# Altium PCB BalloonBoard.PcbDoc (part 1 of 3) (continued)
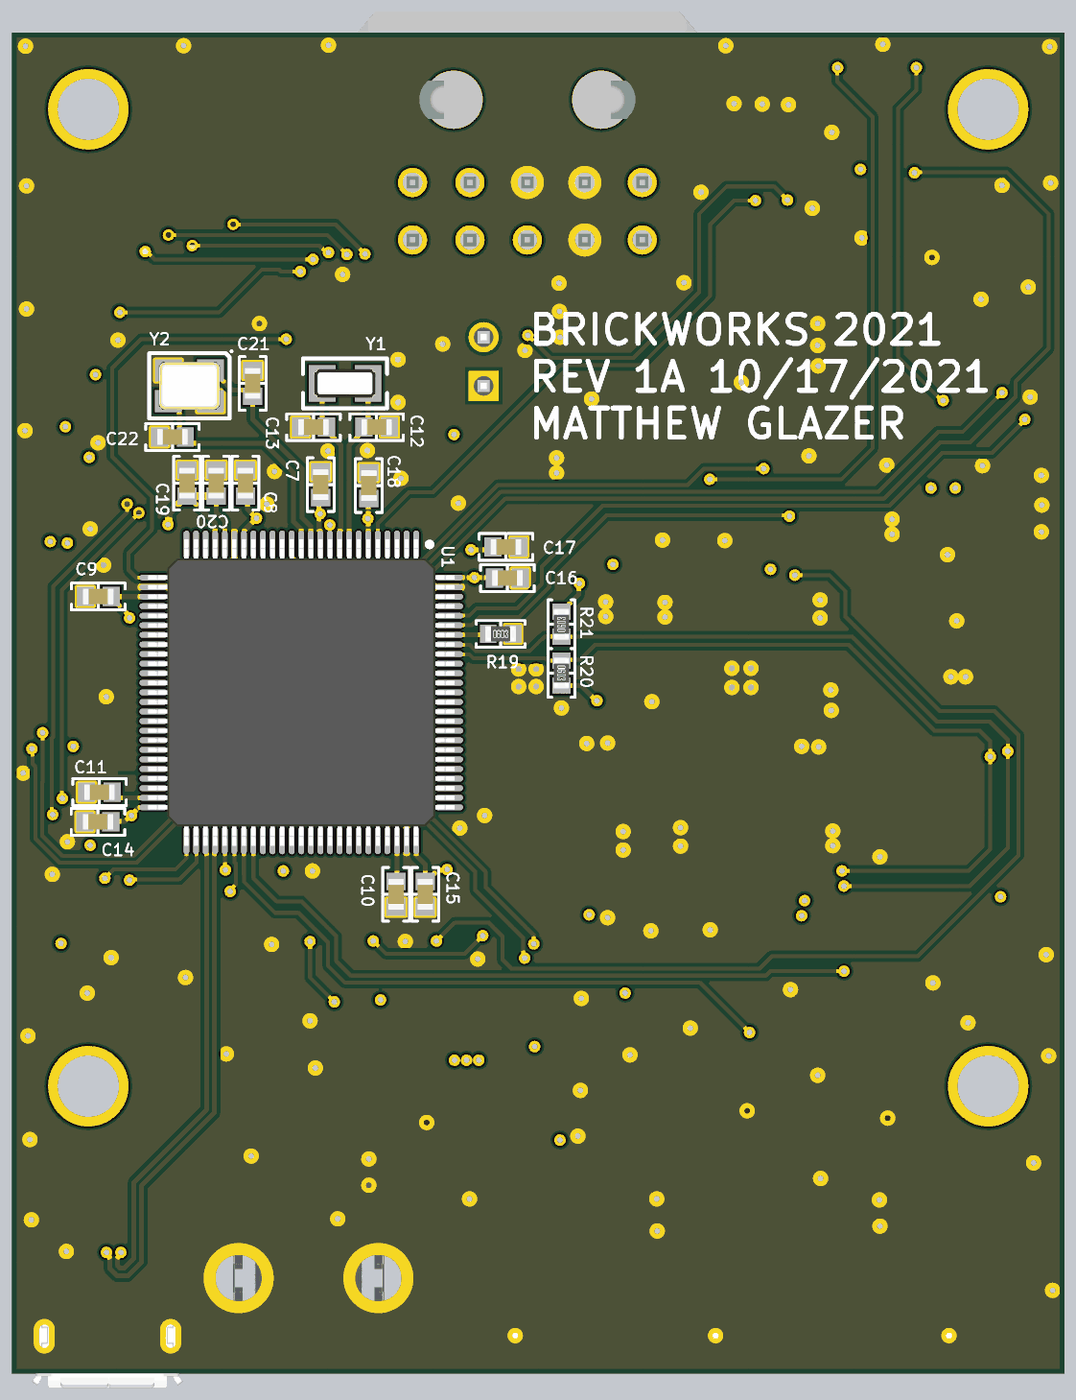
[diagram p7: 3D render of the assembled board from below, using the file's embedded part models]

## Layer stack, top to bottom
Top Solder: solder mask 0.9843, SM-001, Dk 4
Top Layer: signal copper 1.6142
Dielectric 2: prepreg 9.0551, PP-018, Dk 4.3
Layer 1: plane copper 1.378, net GND
Dielectric 1: core 36.6142, Core-028, Dk 4.3
Layer 2: plane copper 1.378, net (Multiple Nets)
Dielectric 3: prepreg 9.0551, PP-018, Dk 4.3
Bottom Layer: signal copper 1.6142
Bottom Solder: solder mask 0.9843, SM-001, Dk 4

## Board outline
0,0 2165.35,0 2165.35,2755.91 0,2755.91

## Design rules (kind name [scope] priority, off if disabled: settings)
BoardOutlineClearance [All] p1: gap=10 ignorepadtopadclearanceinfootprint=FALSE except(0: Arc-SplitContinuation Track-SplitContinuation SMDPad-SplitContinuation THPad-SplitContinuation Via-SplitContinuation Fill-SplitContinuation Poly-SplitContinuation Region-SplitContinuation Text-SplitContinuation)
Clearance Clearance_3 [InNamedPolygon('Top Layer-No Net') Or  InNamedPolygon('Top Layer-GND') Or  InNamedPolygon('Top Layer-NetC38_2') Or  InNamedPolygon('Top Layer-+12_Supply') Or  InNamedPolygon('Top Layer-NetC58_2') Or  InNamedPolygon('Top Layer-No Net 1') Or  InNamedPolygon('Top Layer-No Net') Or  InNamedPolygon('Top Layer-+5_Supply') Or  InNamedPolygon('Top Layer-NetC38_2') Or  InNamedPolygon('Top Layer-+5') Or  InNamedPolygon('Top Layer-+5 1') Or  InNamedPolygon('Top Layer-+12')] p1: gap=7.5 ignorepadtopadclearanceinfootprint=FALSE
Clearance [All] p2: gap=6 ignorepadtopadclearanceinfootprint=TRUE
DiffPairsRouting DiffPairsRouting90hms [InDifferentialPairClass('DIFF90')] p1: maxlimit=6 minlimit=5 mostfreqgap=6 toplayer_minwidth=8.17 toplayer_maxwidth=9.9 toplayer_prefwidth=9.9 bottomlayer_minwidth=8.17 bottomlayer_maxwidth=9.9 bottomlayer_prefwidth=9.9 impedanceprofiledriven=TRUE impedanceprofileid={5D9EC83B-07E7-4D12-A961-5C90B1E134FC} impedanceprofilevalue=90.000000 maxuncoupledlength=500
HoleSize [All] p1: absolutevalues=TRUE maxlimit=150 minlimit=10 maxpercent=80.000 minpercent=20.000
HoleToHoleClearance [All] p1: gap=5 allowstackedmicrovias=TRUE
MinimumAnnularRing [All] p1: minimumring=5.91
MinimumSolderMaskSliver [All] p1: minsoldermaskwidth=3
PlaneClearance [All] p1: clearance=5
PlaneConnect [All] p1: planeconnectstyle=Direct reliefexpansion=20 reliefentries=4 reliefconductorwidth=10 reliefairgap=10
PolygonConnect PolygonConnect_11 [All vs IsNamedPolygon('Top Layer-GND')] p1: connectstyle=Direct reliefconductorwidth=10 reliefentries=4 polygonreliefangle="90 Angle" airgapwidth=10
PolygonConnect PolygonConnect_10 [All vs IsNamedPolygon('Top Layer-No Net 4')] p2: connectstyle=Direct reliefconductorwidth=10 reliefentries=4 polygonreliefangle="90 Angle" airgapwidth=10
PolygonConnect PolygonConnect_9 [All vs IsNamedPolygon('Top Layer-GND')] p3: connectstyle=Direct reliefconductorwidth=10 reliefentries=4 polygonreliefangle="90 Angle" airgapwidth=10
PolygonConnect PolygonConnect_8 [All vs IsNamedPolygon('Top Layer-+5 1')] p4: connectstyle=Direct reliefconductorwidth=10 reliefentries=4 polygonreliefangle="90 Angle" airgapwidth=10
PolygonConnect PolygonConnect_7 [All vs IsNamedPolygon('Top Layer-+12_Supply') Or  IsNamedPolygon('Top Layer-NetC58_2') Or  IsNamedPolygon('Top Layer-NetC38_2') Or  IsNamedPolygon('Top Layer-NetC38_2') Or  IsNamedPolygon('Top Layer-No Net') Or  IsNamedPolygon('Top Layer-+12') Or  IsNamedPolygon('Top Layer-+5') Or  IsNamedPolygon('Top Layer-+5_Supply') Or  IsNamedPolygon('Top Layer-No Net 1')] p5: connectstyle=Direct reliefconductorwidth=10 reliefentries=4 polygonreliefangle="90 Angle" airgapwidth=10
PolygonConnect PolygonConnect_6 [All vs IsNamedPolygon('Top Layer-+12')] p6: connectstyle=Direct reliefconductorwidth=10 reliefentries=4 polygonreliefangle="90 Angle" airgapwidth=10
PolygonConnect PolygonConnect_5 [All vs IsNamedPolygon('Top Layer-+5_Supply')] p7: connectstyle=Direct reliefconductorwidth=10 reliefentries=4 polygonreliefangle="90 Angle" airgapwidth=10
PolygonConnect PolygonConnect_4 [All vs IsNamedPolygon('Top Layer-+12_Supply')] p8: connectstyle=Direct reliefconductorwidth=10 reliefentries=4 polygonreliefangle="90 Angle" airgapwidth=10
PolygonConnect PolygonConnect_3 [All vs IsNamedPolygon('Top Layer-NetC58_2')] p9: connectstyle=Direct reliefconductorwidth=10 reliefentries=4 polygonreliefangle="90 Angle" airgapwidth=10
PolygonConnect PolygonConnect_2 [All vs IsNamedPolygon('Top Layer-NetC38_2')] p10: connectstyle=Direct reliefconductorwidth=10 reliefentries=4 polygonreliefangle="90 Angle" airgapwidth=10
PolygonConnect PolygonConnect_1 [All vs IsNamedPolygon('Top Layer-NetC38_2')] p11: connectstyle=Direct reliefconductorwidth=10 reliefentries=4 polygonreliefangle="90 Angle" airgapwidth=10
PolygonConnect [All] p12: connectstyle=Relief reliefconductorwidth=10 reliefentries=4 polygonreliefangle="90 Angle" airgapwidth=10
RoutingVias [All] p1: holewidth=20 width=35 viastyle="Through Hole" minholewidth=11.81 minwidth=21.65 maxholewidth=35 maxwidth=50
SilkToSilkClearance [All] p1: silktosilkclearance=5
SilkToSolderMaskClearance [IsPad] p1: minsilkscreentomaskgap=2.9 clearancetoexposedcopper=TRUE
SolderMaskExpansion [All] p1: expansion=4 istentingtop=FALSE
Width [All] p1: maxlimit=49.21 minlimit=6 preferedwidth=10
22 further rules are at their usual default settings.

## Classes and differential pairs
differential pair class DIFF90: USB_HEADER
component class Transceivers: C67 C68 D4 R79 R80 U16
component class Sensors: C44 C45 C46 C47 C48 C49 C50 C51 C52 C70 C71 C72 C73 R47 R48 R49 R50 R51 R52 R53 R54 R55 R56 R57 R58 R59 R60 R86 R87 R88 U8 U9 U10 U11 U12 U17
component class Power-Supplies: C24 C25 C26 C27 C28 C29 C30 C31 C32 C33 C34 C35 C36 C37 C38 C39 C40 C41 C42 C43 D1 D3 D7 L1 L2 Q9 R23 R24 R25 R26 R27 R28 R29 R30 R31 R32 R33 R34 R35 R36 R37 R38 R39 R40 R41 R42 R43 R44 R45 R46 R85 U2 U4 U5 U6 U7
component class Microcontroller: C7 C8 C9 C10 C11 C12 C13 C14 C15 C16 C17 C18 C19 C20 C21 C22 C23 J6 J8 R19 R20 R21 R22 S1 U1 Y1 Y2
component class Interfaces: C1 C2 C3 C4 C5 C6 D2 J1 J2 J3 J4 J5 J7 R3 R18 R83 R84 U3
component class Controllers: D5 D6 Q1 Q2 Q3 Q4 Q5 Q6 Q7 Q8 R1 R2 R4 R5 R6 R7 R8 R9 R10 R11 R12 R13 R14 R15 R16 R17 R81 R82
component class 12V-Power-Supplies: C53 C54 C55 C56 C57 C58 C59 C60 C61 C62 C63 C64 C65 C66 D8 L3 Q10 R61 R62 R63 R64 R65 R66 R67 R68 R69 R70 R71 R72 R73 R74 R75 R76 R77 R78 R89 U13 U14 U15
differential pair USB_HEADER: +USB_HEADER_P -USB_HEADER_N

## Components (designator, comment, footprint, x,y, rotation, side; value= is the part's Value field where it differs from the comment)
C1 "10µF" "CAP 0805_2012" 665,2525 r270 top
C2 "10µF" "CAP 0805_2012" 580,2525 r270 top
C3 "10µF" "CAP 0805_2012" 955,2140 r180 top
C4 "10µF" "CAP 0805_2012" 955,2225 r180 top
C5 "2.2µF" "CAP 0603_1608" 141,436 r0 top
C6 "2.2µF" "CAP 0603_1608" 603,435 r0 top
C7 "0.1µF" "CAP 0603_1608" 1530,1827 r270 bottom
C8 "0.1µF" "CAP 0603_1608" 1685,1830 r270 bottom
C9 "0.1µF" "CAP 0603_1608" 1987.57,1597 r180 bottom
C10 "2.2µF" "CAP 0603_1608" 1375,985 r90 bottom
C11 "2.2µF" "CAP 0603_1608" 1985,1195 r180 bottom
C12 "2.1pF" "CAP 0603_1608" 1415,1945 r0 bottom
C13 "2.1pF" "CAP 0603_1608" 1545,1945 r180 bottom
C14 "0.1µF" "CAP 0603_1608" 1988,1134 r180 bottom
C15 "0.1µF" "CAP 0603_1608" 1315,985 r90 bottom
C16 "0.1µF" "CAP 0603_1608" 1146,1635 r0 bottom
C17 "4.7µF" "CAP 0603_1608" 1149,1699 r0 bottom
C18 "1µF" "CAP 0603_1608" 1431,1825 r270 bottom
C19 "0.1µF" "CAP 0603_1608" 1805,1830 r270 bottom
C20 "1µF" "CAP 0603_1608" 1745,1830 r270 bottom
C21 "24pF" "CAP 0603_1608" 1670,2035 r270 bottom
C22 "24pF" "CAP 0603_1608" 1835,1925 r180 bottom
C23 "0.1µF" "CAP 0603_1608" 1191,1837 r180 top
C24 "0.1µF" "CAP 0603_1608" 945,2070 r180 top
C25 "0.1µF" "CAP 0603_1608" 946.57,1935 r180 top
C26 "10µF" "CAP 0805_2012" 960,1865 r180 top
C27 "10µF" "CAP 0805_2012" 525,1215 r270 top
C28 "10µF" "CAP 0805_2012" 705,1100 r180 top
C29 "10µF" "CAP 0805_2012" 560,1100 r0 top
C30 "10µF" "CAP 0805_2012" 595,1570 r0 top
C31 "10µF" "CAP 0805_2012" 735,1570 r180 top
C32 "0.1µF" "CAP 0603_1608" 780,990 r90 top
C33 "10000pF" "CAP 0603_1608" 820,1495 r180 top
C34 "1500pF" "CAP 0603_1608" 595,1950 r0 top
C35 "0.1µF" "CAP 0603_1608" 854,818.57 r270 top
C36 "10µF" "CAP 0805_2012" 1170,1570 r180 top
C37 "10µF" "CAP 0805_2012" 1030,1570 r0 top
C38 "10µF" "CAP 0805_2012" 965,1210 r270 top
C39 "10µF" "CAP 0805_2012" 1000,1095 r0 top
C40 "10µF" "CAP 0805_2012" 1140,1095 r180 top
C41 "0.1µF" "CAP 0603_1608" 1220,980 r90 top
C42 "10000pF" "CAP 0603_1608" 1260,1495 r180 top
C43 "0.1µF" "CAP 0603_1608" 1065,715 r0 top
C44 "0.1µF" "CAP 0603_1608" 2064,815 r270 top
C45 "0.1µF" "CAP 0603_1608" 2065,1635 r90 top
C46 "1000pF" "CAP 0603_1608" 1775,901 r90 top
C47 "0.1µF" "CAP 0603_1608" 1689,1523 r270 top
C48 "0.1µF" "CAP 0603_1608" 1494,1348 r90 top
C49 "0.1µF" "CAP 0603_1608" 1614,1348 r90 top
C50 "0.1µF" "CAP 0603_1608" 1708,1802 r270 top
C51 "0.1µF" "CAP 0603_1608" 1935,1315 r270 top
C52 "0.1µF" "CAP 0603_1608" 1995,1315 r270 top
C53 "0.1µF" "CAP 0603_1608" 435,2145 r180 top
C54 "0.1µF" "CAP 0603_1608" 435,2080 r180 top
C55 "10µF" "CAP 0805_2012" 471,1954 r180 top
C56 "1500pF" "CAP 0603_1608" 105,2120 r0 top
C57 "0.1µF" "CAP 0603_1608" 115,1510 r180 top
C58 "10µF" "CAP 0805_2012" 255,1380 r0 top
C59 "10µF" "CAP 0805_2012" 395,1380 r180 top
C60 "10µF" "CAP 0805_2012" 255,1300 r0 top
C61 "10µF" "CAP 0805_2012" 395,1300 r180 top
C62 "10µF" "CAP 0805_2012" 270,1740 r180 top
C63 "10µF" "CAP 0805_2012" 130,1740 r0 top
C64 "0.1µF" "CAP 0603_1608" 130,1810 r180 top
C65 "0.1µF" "CAP 0603_1608" 235,1147.56 r90 top
C66 "0.1µF" "CAP 0603_1608" 105,1025 r0 top
C67 "0.1µF" "CAP 0603_1608" 1786,2121 r180 top
C68 "0.1µF" "CAP 0603_1608" 1992,1982 r90 top
C70 "0.1µF" "CAP 0603_1608" 1547,1101 r90 top
C71 "0.47µF" "CAP 0603_1608" 1357,956 r90 top
C72 "0.47µF" "CAP 0603_1608" 1487,954.43 r90 top
C73 "0.47µF" "CAP 0603_1608" 1617,954.43 r90 top
D1 "CUS08F30,H3F" SOD323 570,2330 r270 top
D2 "Green" "LED 0603_1608 GREEN" 1825,420 r90 top
D3 "CUS08F30,H3F" SOD323 635,2330 r270 top
D4 "PESD1CAN-UX" FP-SOT323-MFG 1656.41,2158.58 r270 top
D5 "Green" "LED 0603_1608 GREEN" 462,583 r90 top
D6 "Green" "LED 0603_1608 GREEN" 894,579 r90 top
D7 "Green" "LED 0603_1608 GREEN" 420,2655 r90 top
D8 "Green" "LED 0603_1608 GREEN" 355,2655 r90 top
J1 "SCH - CONNECTOR - RECTANGULAR - MOLEX 0430451000" "PCB - CONNECTOR - RECTANGULAR - MOLEX 0430451000" 1105,2618.11 r180 top
J2 "10118193-0001LF" "FCI USB 10118193-0001LF" 1968.5,78.74 r180 top
J3 "S3B-PH-SM4-TB(LF)(SN)" "JST S3B-PH-SM4-TB" 246.06,145.67 r180 top
J4 "S3B-PH-SM4-TB(LF)(SN)" "JST S3B-PH-SM4-TB" 708.66,145.67 r180 top
J5 "S2B-PH-SM4-TB(LF)(SN)" "JST S2B-PH-SM4-TB" 1131.89,145.67 r180 top
J6 "3221-10-0300-00" "CNC TECH 3221-10-0300-00" 1843,2337.51 r270 top
J7 "436500210" FP-436500210-MFG 1555.12,210 r0 top
J8 "M20-9990246" FP-M20-9990246-MFG 1195,2080 r90 top
L1 "2.2µH" "BOURNS SRN4018" 655,1245 r270 top
L2 "2.2µH" "BOURNS SRN4018" 1095,1240 r270 top
L3 "LQH5BPN3R3N38L" FP-LQH5BPN_38-MFG 345,1560 r270 top
Q1 "DMP3056L-7" "DIODES SOT-23-3" 350,475 r0 top
Q2 "DMP3056L-7" "DIODES SOT-23-3" 1440,554 r180 top
Q3 "DMP3056L-7" "DIODES SOT-23-3" 1577,554 r90 top
Q4 "NTR4003NT1G" "ON SEMI SOT-23-3" 350,680 r270 top
Q5 "NTR4003NT1G" "ON SEMI SOT-23-3" 1304,554 r0 top
Q6 "NTR4003NT1G" "ON SEMI SOT-23-3" 1729,616 r270 top
Q7 "DMP3056L-7" "DIODES SOT-23-3" 790,475 r0 top
Q8 "NTR4003NT1G" "ON SEMI SOT-23-3" 655,540 r0 top
Q9 "NTR4003NT1G" "ON SEMI SOT-23-3" 740,2200 r0 top
Q10 "NTR4003NT1G" "ON SEMI SOT-23-3" 270,2290 r270 top
R1 "10 kOhms" "RES 0603_1608" 455,700 r270 top
R2 "10 kOhms" "RES 0603_1608" 1343,691 r270 top
R3 "590 Ohms" "RES 0603_1608" 1825,300 r270 top
R4 "10 kOhms" "RES 0603_1608" 1602,655 r180 top
R5 "50 Ohms" "RES 0603_1608" 335,575 r180 top
R6 "50 Ohms" "RES 0603_1608" 1432,665 r0 top
R7 "50 Ohms" "RES 0603_1608" 1703,516 r180 top
R8 "50 Ohms" "RES 0603_1608" 390,805 r90 top
R9 "50 Ohms" "RES 0603_1608" 1178,590 r180 top
R10 "50 Ohms" "RES 0603_1608" 1740.41,726 r180 top
R11 "10 kOhms" "RES 0603_1608" 315,805 r90 top
R12 "10 kOhms" "RES 0603_1608" 1178,520 r180 top
R13 "10 kOhms" "RES 0603_1608" 1626,726 r0 top
R14 "10 kOhms" "RES 0603_1608" 705,645 r0 top
R15 "50 Ohms" "RES 0603_1608" 780,575 r0 top
R16 "50 Ohms" "RES 0603_1608" 585,645 r180 top
R17 "10 kOhms" "RES 0603_1608" 555,558 r90 top
R18 "10 kOhms" "RES 0603_1608" 1065,435 r180 top
R19 "10 kOhms" "RES 0603_1608" 1160,1520 r180 bottom
R20 "4.7 kOhms" "RES 0603_1608" 1035,1440 r270 bottom
R21 "4.7 kOhms" "RES 0603_1608" 1035,1540 r90 bottom
R22 "10 kOhms" "RES 0603_1608" 1190,1900 r180 top
R23 "240 mOhms" "RES 0805_2012" 595,990 r270 top
R24 "10 kOhms" "RES 0603_1608" 530,1480 r180 top
R25 "10 Ohms" "RES 0603_1608" 690,1025 r180 top
R26 "10 Ohms" "RES 0603_1608" 690,955 r180 top
R27 "140 kOhms" "RES 0603_1608" 840,2195 r90 top
R28 "10 kOhms" "RES 0603_1608" 610,1785 r270 top
R29 "10 kOhms" "RES 0603_1608" 732,1785 r270 top
R30 "100 kOhms" "RES 0603_1608" 775,1295 r270 top
R31 "180 kOhms" "RES 0603_1608" 854,1785 r270 top
R32 "7.15 kOhms" "RES 0603_1608" 725,2100 r0 top
R33 "47.5 kOhms" "RES 0603_1608" 793,1785 r90 top
R34 "150 kOhms" "RES 0603_1608" 595,2010 r0 top
R35 "64.9 kOhms" "RES 0603_1608" 595,1890 r0 top
R36 "10 kOhms" "RES 0603_1608" 671,1785 r90 top
R37 "10 kOhms" "RES 0603_1608" 820,1430 r180 top
R38 "32.4 kOhms" "RES 0603_1608" 615,2100 r0 top
R39 "50 Ohms" "RES 0603_1608" 635,2200 r90 top
R40 "10 kOhms" "RES 0603_1608" 570,2200 r90 top
R41 "240 mOhms" "RES 0805_2012" 1035,980 r270 top
R42 "10 kOhms" "RES 0603_1608" 970,1480 r180 top
R43 "10 Ohms" "RES 0603_1608" 1130,1015 r180 top
R44 "10 Ohms" "RES 0603_1608" 1130,945 r180 top
R45 "100 kOhms" "RES 0603_1608" 1225,1290 r270 top
R46 "10 kOhms" "RES 0603_1608" 1255,1430 r180 top
R47 "10 kOhms" "RES 0603_1608" 2064,950 r270 top
R48 "10 kOhms" "RES 0603_1608" 1986,1552 r0 top
R49 "200 kOhms" "RES 0603_1608" 1769,1805 r90 top
R50 "4.7 kOhms" "RES 0603_1608" 2055,1775 r270 top
R51 "4.7 kOhms" "RES 0603_1608" 2055,1880 r90 top
R52 "10 kOhms" "RES 0603_1608" 1674,1348 r270 top
R53 "10 kOhms" "RES 0603_1608" 1554,1348 r270 top
R54 "10 kOhms" "RES 0603_1608" 1983,1126 r180 top
R55 "10 kOhms" "RES 0603_1608" 580,1695 r0 top
R56 "10 kOhms" "RES 0603_1608" 855,1204 r180 top
R57 "10 kOhms" "RES 0603_1608" 1432,730 r180 top
R58 "10 kOhms" "PTC 0402_1005" 500,1713 r270 top
R59 "10 kOhms" "PTC 0402_1005" 855,1290 r270 top
R60 "10 kOhms" "PTC 0402_1005" 1513,674 r90 top
R61 "392 kOhms" "RES 0603_1608" 375,2280 r90 top
R62 "10 kOhms" "RES 0603_1608" 127,1934 r270 top
R63 "10 kOhms" "RES 0603_1608" 249,1934 r270 top
R64 "475 kOhms" "RES 0603_1608" 371,1934 r270 top
R65 "7.15 kOhms" "RES 0603_1608" 170,2275 r90 top
R66 "45.3 kOhms" "RES 0603_1608" 310,1934 r90 top
R67 "82.5 kOhms" "RES 0603_1608" 105,2180 r0 top
R68 "57.6 kOhms" "RES 0603_1608" 105,2060 r0 top
R69 "10 kOhms" "RES 0603_1608" 188,1934 r90 top
R70 "32.4 kOhms" "RES 0603_1608" 170,2385 r270 top
R71 "50 Ohms" "RES 0603_1608" 310,2410 r90 top
R72 "10 kOhms" "RES 0603_1608" 235,2410 r90 top
R73 "20 mOhms" "RES 0805_2012" 415,1142.56 r270 top
R74 "10 kOhms" "RES 0603_1608" 110,1330 r180 top
R75 "69.8 kOhms" "RES 0603_1608" 145,1420 r90 top
R76 "10 Ohms" "RES 0603_1608" 320,1177.56 r0 top
R77 "10 Ohms" "RES 0603_1608" 320,1112.56 r0 top
R78 "10 kOhms" "RES 0603_1608" 83,1419.59 r270 top
R79 "100 Ohms" "RES 0603_1608" 1599,2042 r90 top
R80 "10 kOhms" "RES 0603_1608" 1599,1935 r90 top
R81 "1 kOhms" "RES 0603_1608" 462,464 r270 top
R82 "1 kOhms" "RES 0603_1608" 894,460 r270 top
R83 "0 Ohms" "RES 0603_1608" 1105,2205 r270 top
R84 "0 Ohms" "RES 0603_1608" 1195,2230 r180 top
R85 "1 kOhms" "RES 0603_1608" 420,2540.59 r90 top